# Altium PCB ANALOG_BOARD.PcbDoc (part 1 of 2)
Units mm, origin at the board's own origin, x right, y up, seen from the top; angles counter-clockwise.
Board outline 62.7 x 85.8 mm, 4 copper layers (Top Layer, PWR02, GND03, Bottom Layer), stack 1.883 mm thick; 241 components, 167 nets, 768 pads, 313 vias.
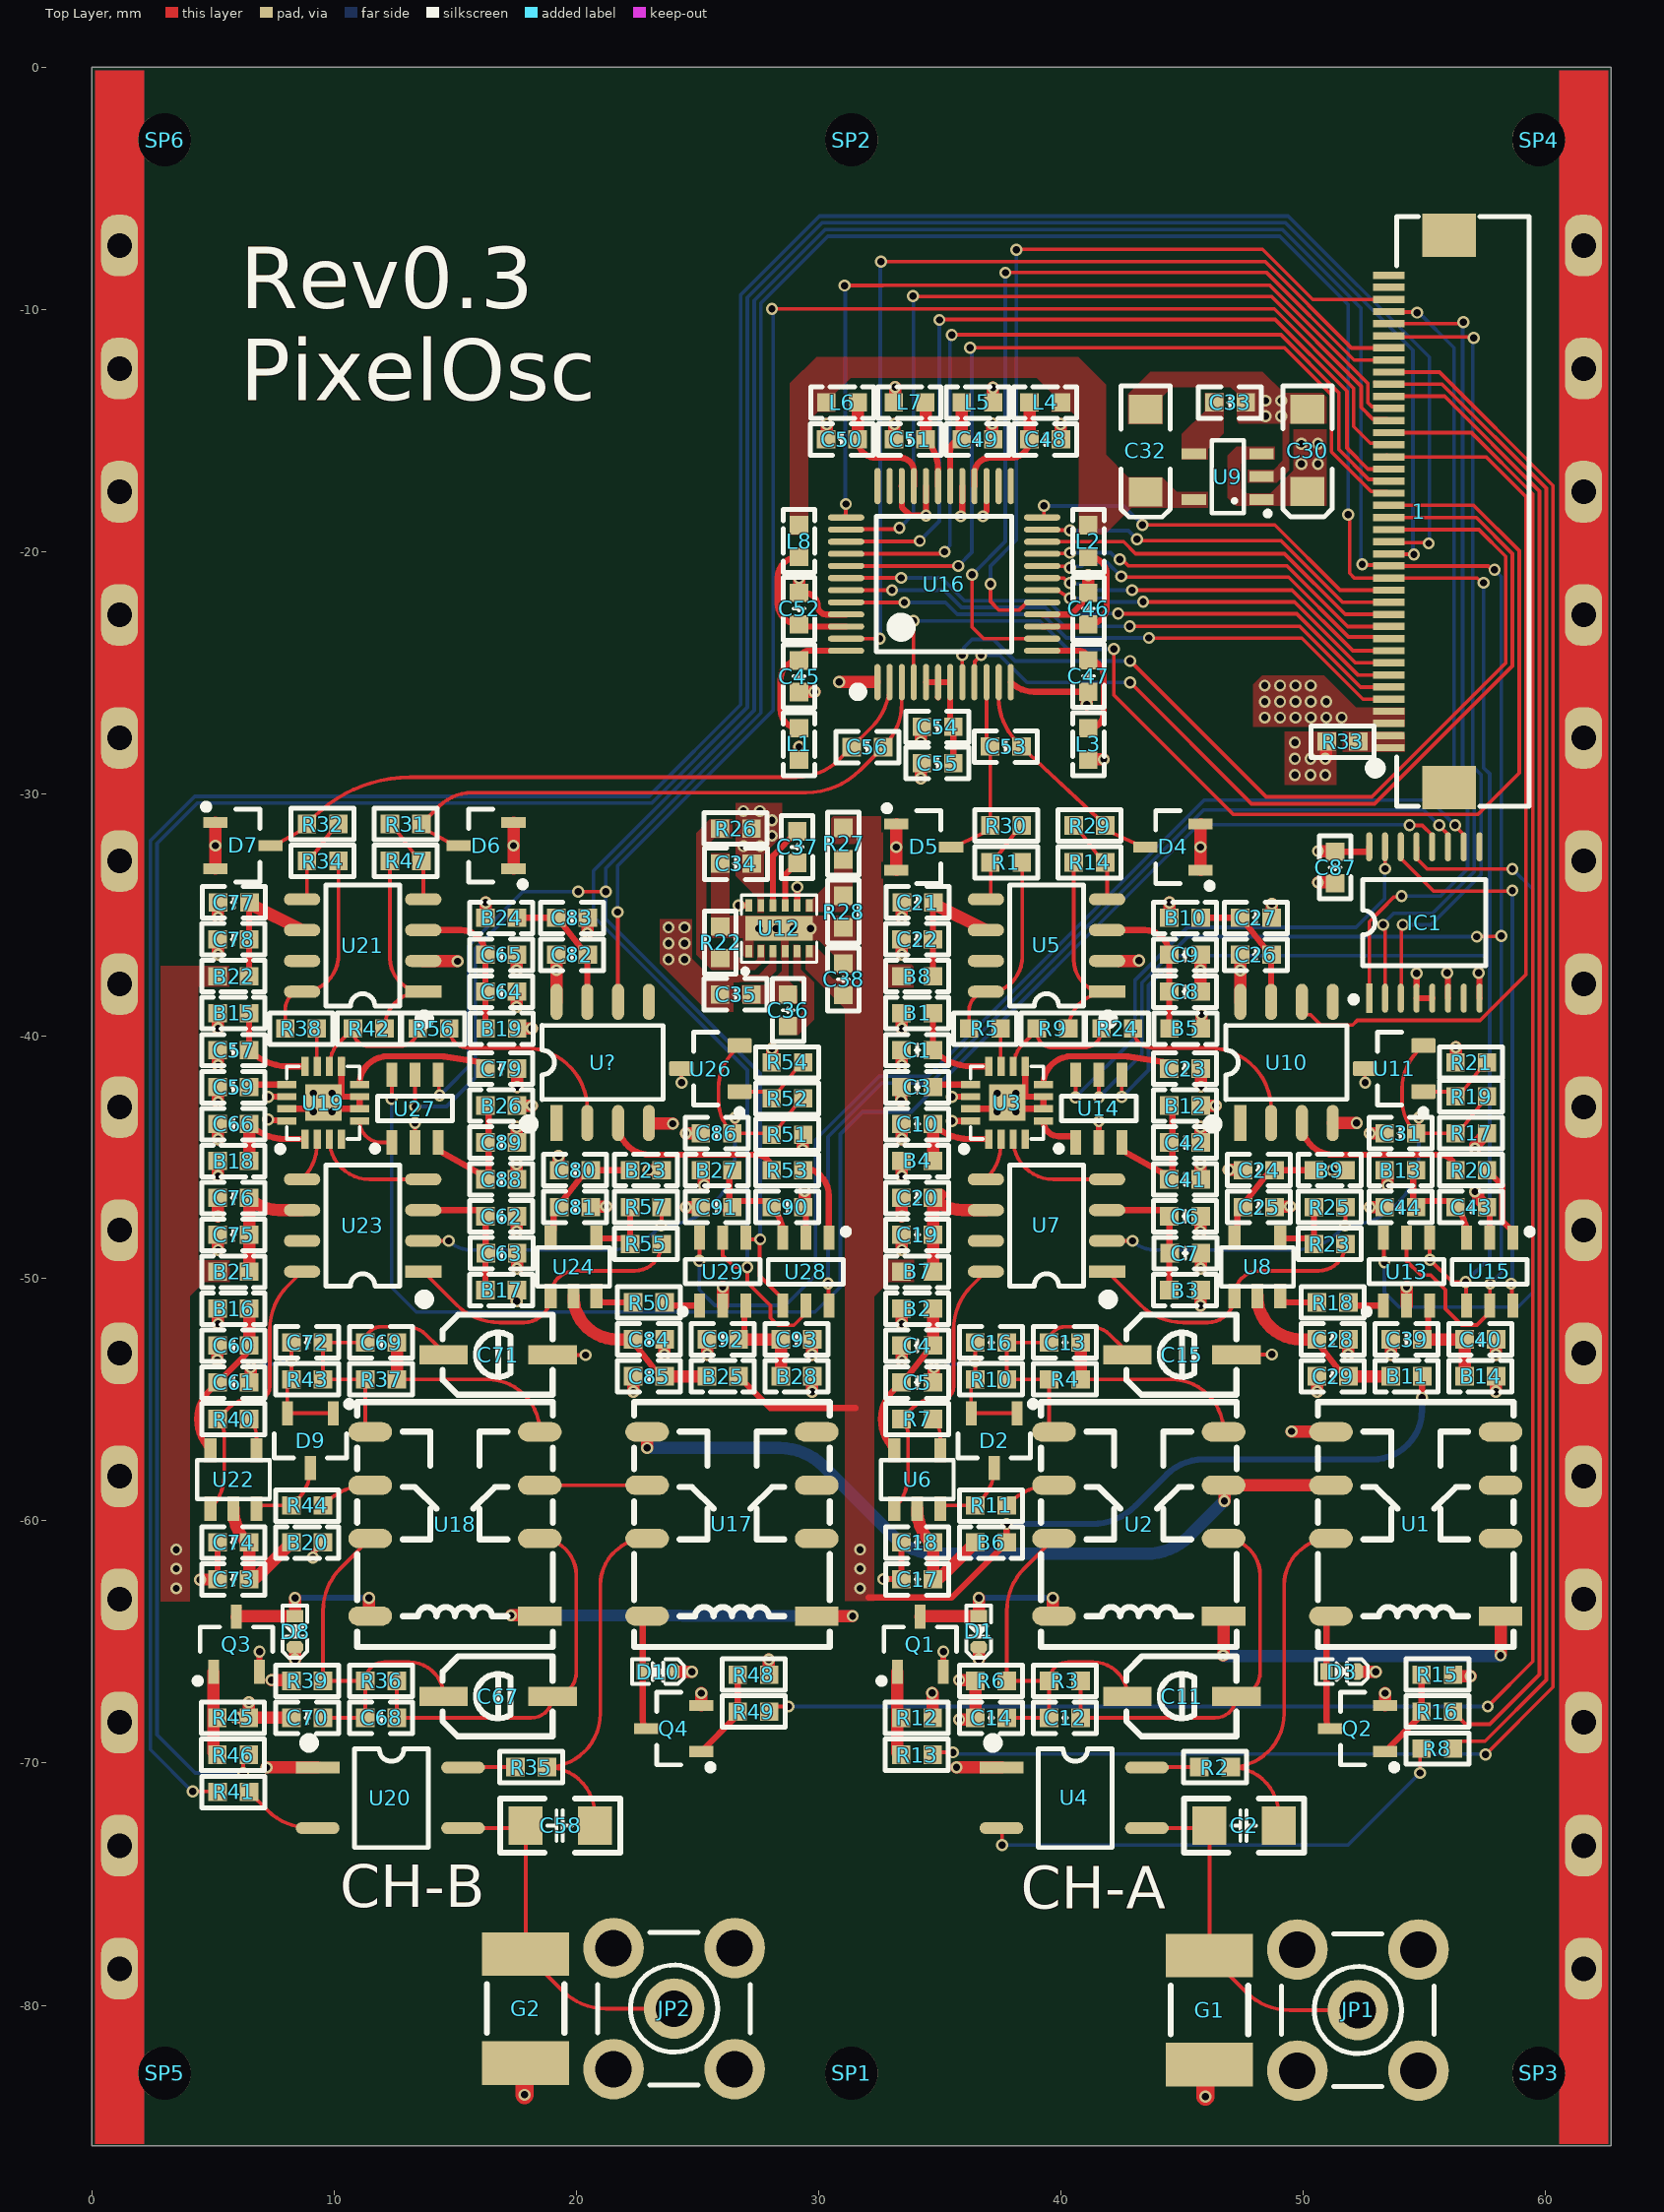
[diagram p0: Top Layer view]
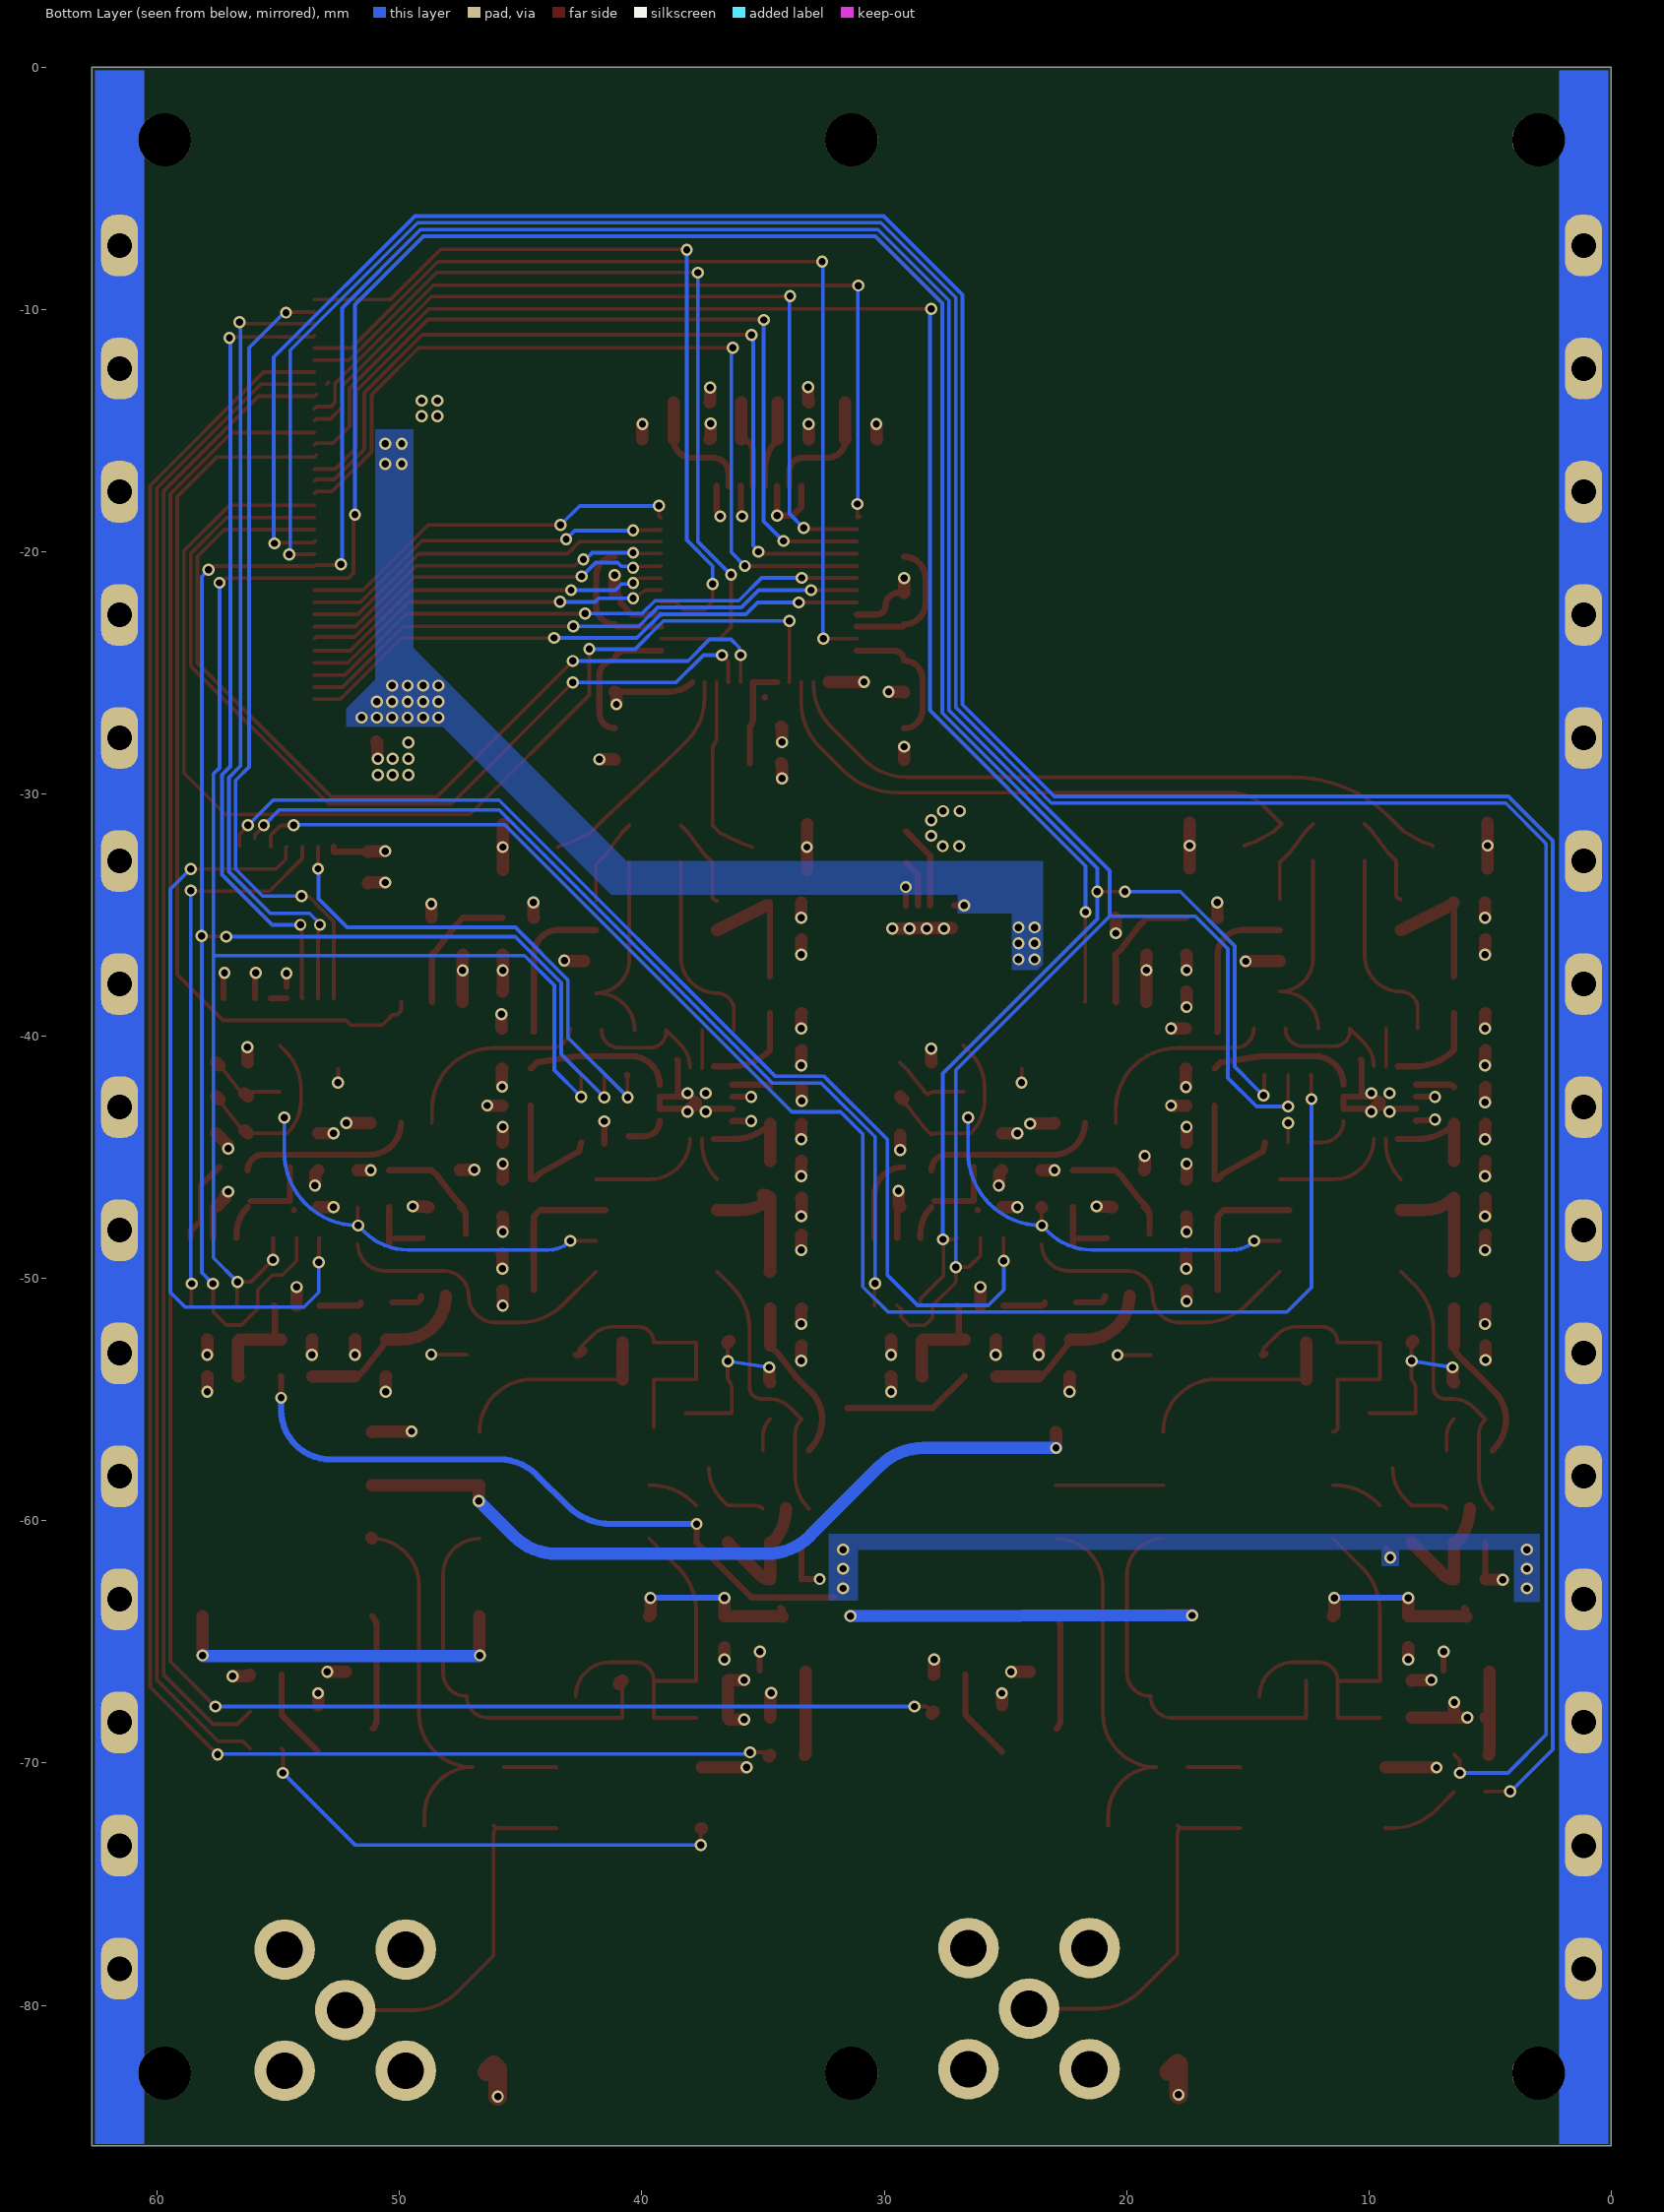
[diagram p1: Bottom Layer view, seen from below]
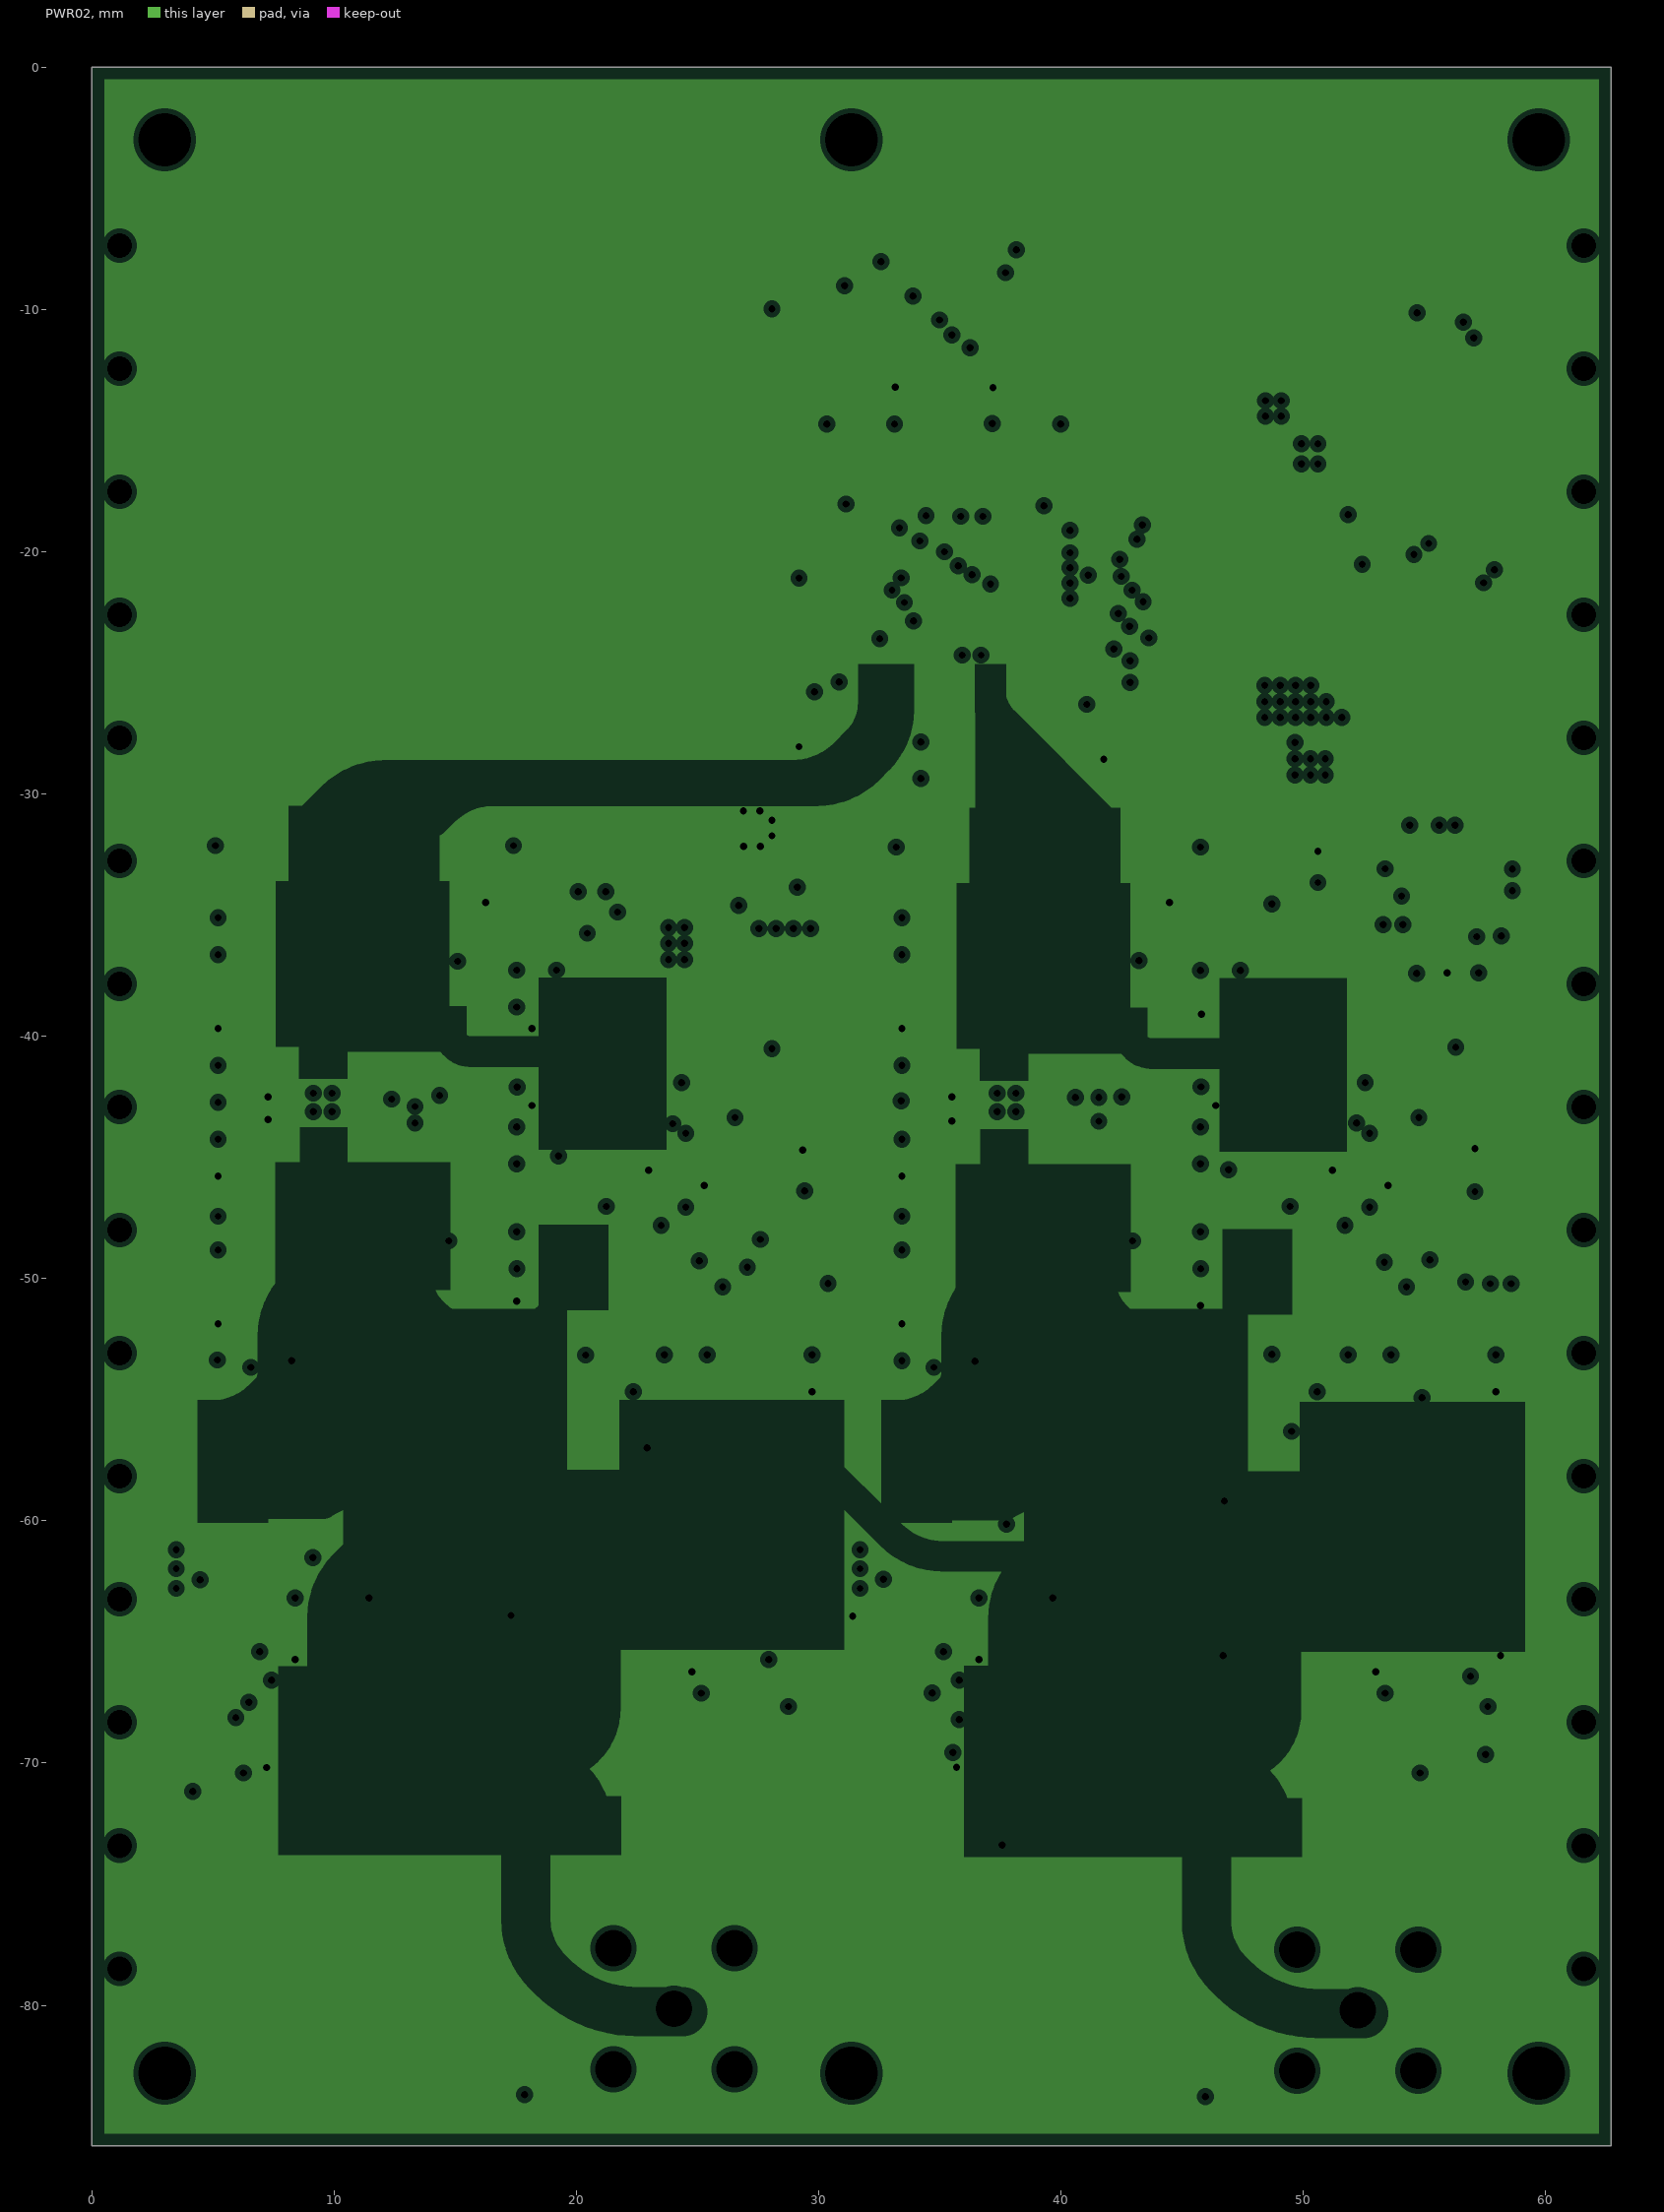
[diagram p2: PWR02, clearances drawn from the general rule]